# Altium PCB Copy of Board.PcbDoc (part 3 of 4) (continued)
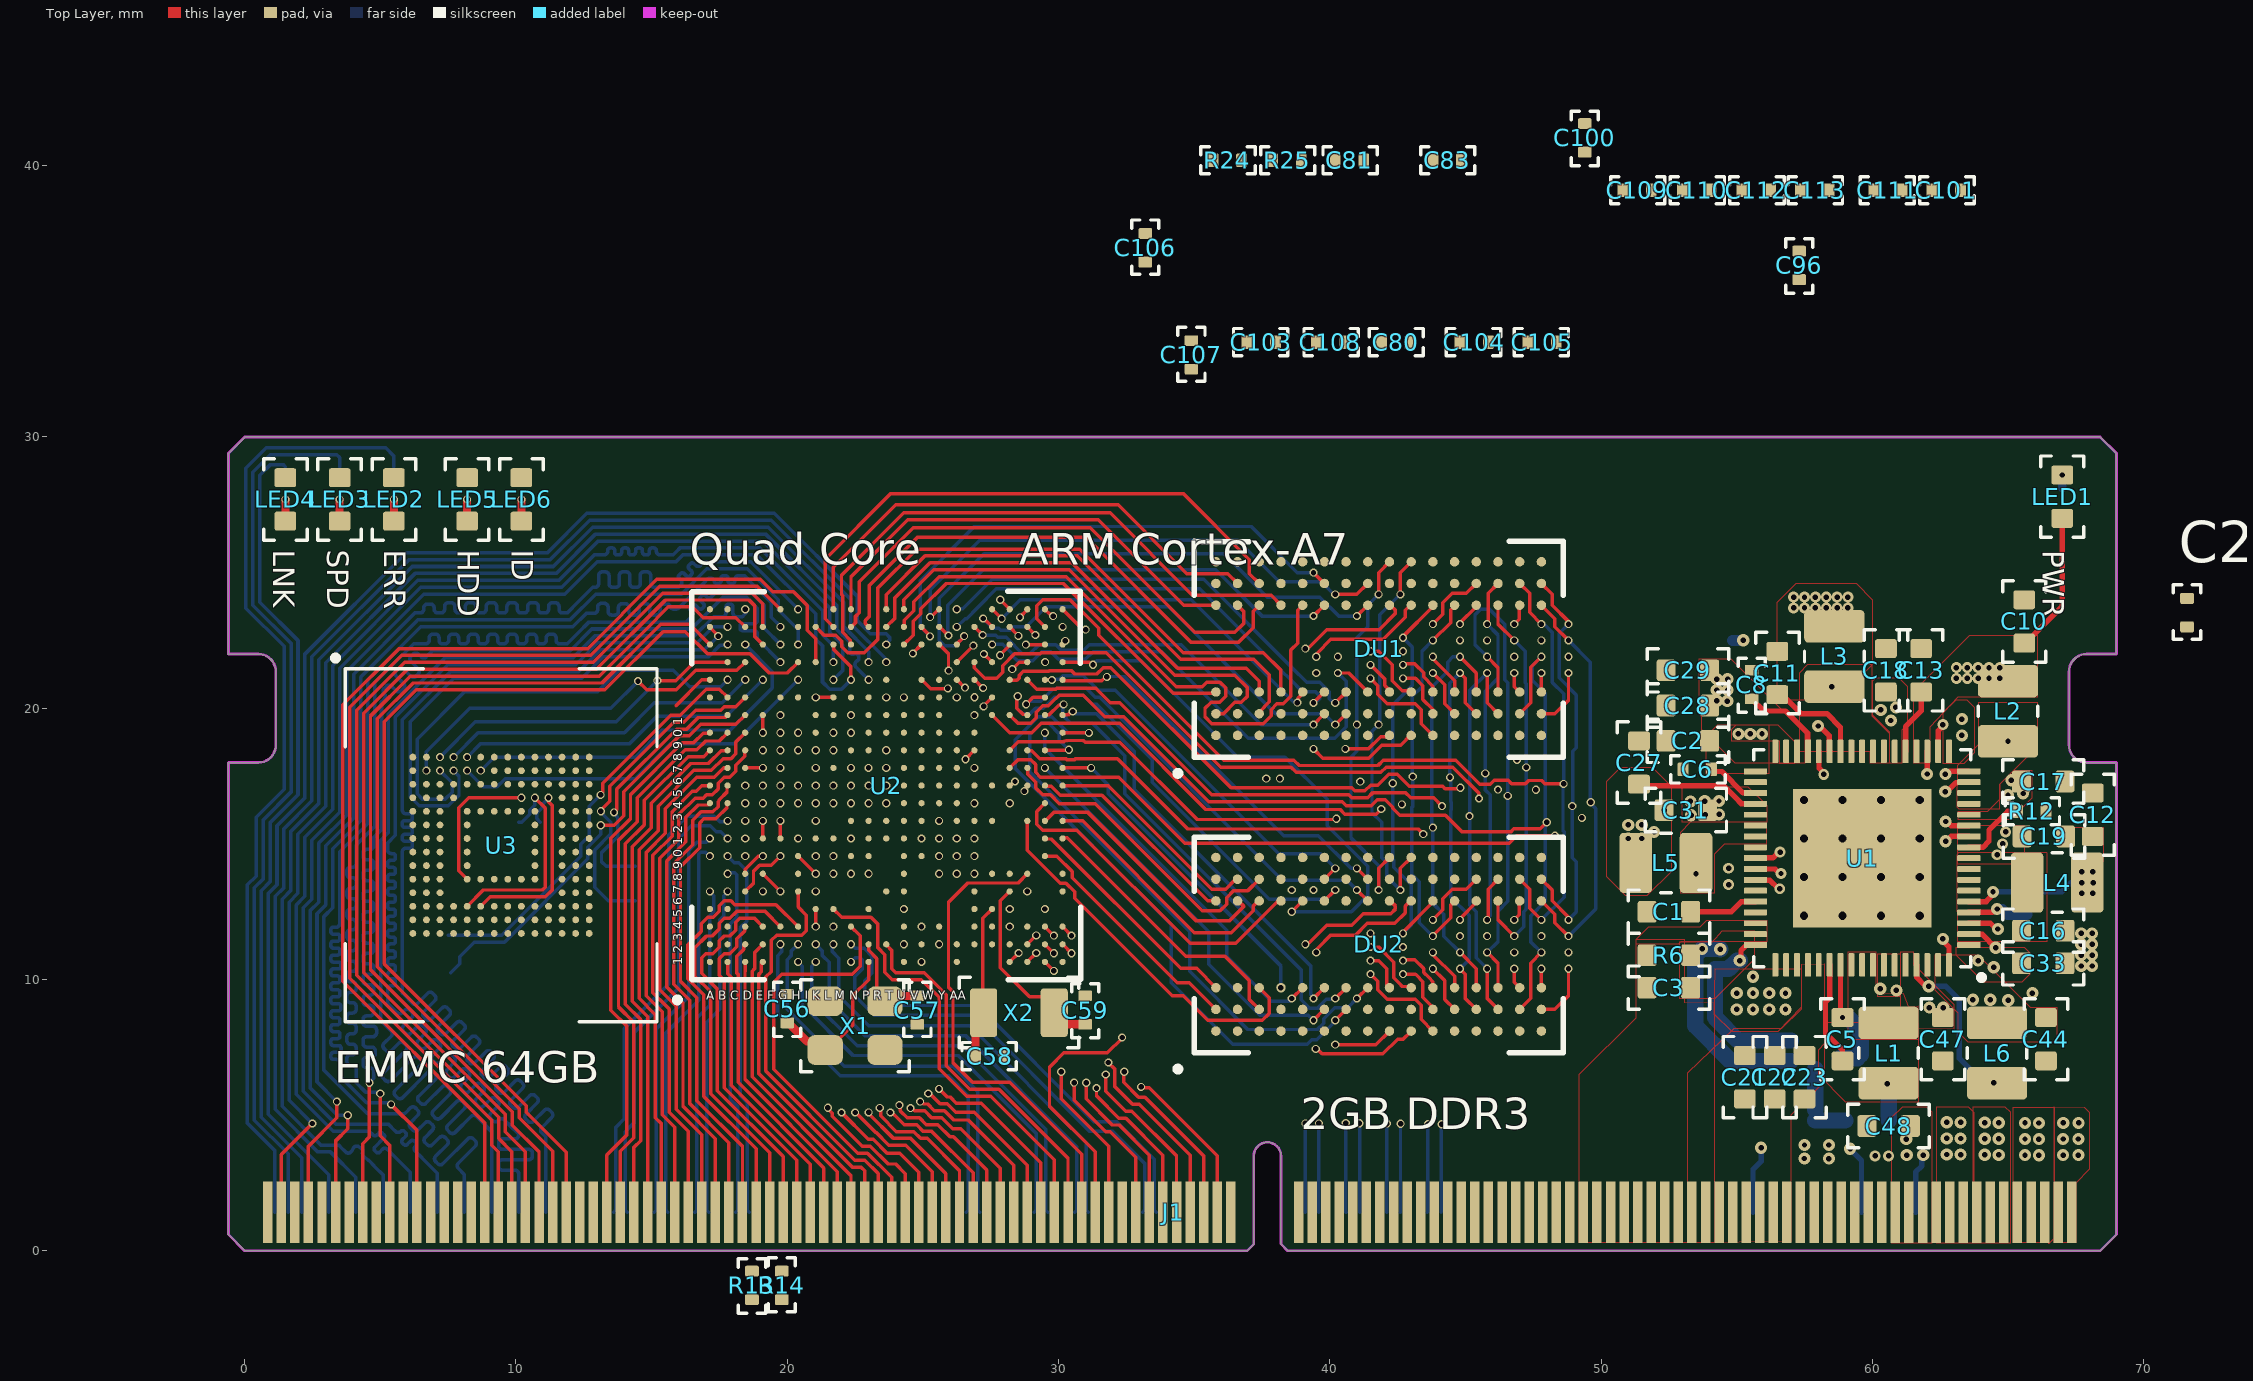
[diagram p0: Top Layer view]
## Nets (pads, with @x,y where several pads share a name; then routed paths per layer and width w, separated by ;. In a path a pad name is that pad's centre, name@x,y a point inside that pad or via, vN(x,y) a via of type N, cw(c..) or ccw(c..) an arc to the next point about the centre after c; other vN are vias at no path point) (continued)
RGMII_TXD2: J1.23 U2.E20 | length 47.6
  Top Layer w0.13: v1(5.396,5.396) 6.35,4.441 J1.23@6.35,1.422
  Bottom Layer w0.13: v1(5.396,5.396) 5.337,5.454 4.491,5.454 3.5,6.445 3.5,6.861 3.5,6.925 ccw(c3.37,6.925) 3.37,7.055 3.268,7.055 cw(c3.268,7.145) 3.178,7.145 3.178,7.222 cw(c3.268,7.222) 3.268,7.311 3.461,7.311 ccw(c3.461,7.401) 3.551,7.401 3.551,7.478 ccw(c3.461,7.478) 3.461,7.568 3.268,7.568 cw(c3.268,7.658) 3.178,7.658 3.178,7.735 cw(c3.268,7.735) 3.268,7.824 3.422,7.824 ccw(c3.422,7.914) 3.512,7.914 3.512,7.991 ccw(c3.422,7.991) 3.422,8.081 3.268,8.081 cw(c3.268,8.171) 3.178,8.171 3.178,8.248 cw(c3.268,8.248) 3.268,8.338 3.422,8.338 ccw(c3.422,8.427) 3.512,8.427 3.512,8.504 ccw(c3.422,8.504) 3.422,8.594 3.268,8.594 cw(c3.268,8.684) 3.178,8.684 3.178,8.761 cw(c3.268,8.761) 3.268,8.851 3.457,8.851 ccw(c3.457,8.94) 3.547,8.94 3.547,9.017 ccw(c3.457,9.017) 3.457,9.107 3.268,9.107 cw(c3.268,9.197) 3.178,9.197 3.178,9.274 cw(c3.268,9.274) 3.268,9.364 3.422,9.364 ccw(c3.422,9.453) 3.512,9.453 3.512,9.53 ccw(c3.422,9.53) 3.422,9.62 3.268,9.62 cw(c3.268,9.71) 3.178,9.71 3.178,9.787 cw(c3.268,9.787) 3.268,9.877 3.422,9.877 ccw(c3.422,9.967) 3.512,9.967 3.512,10.044 ccw(c3.422,10.044) 3.422,10.133 3.268,10.133 cw(c3.268,10.223) 3.178,10.223 3.178,10.3 cw(c3.268,10.3) 3.268,10.39 3.454,10.39 ccw(c3.454,10.48) 3.543,10.48 3.543,10.557 ccw(c3.454,10.557) 3.454,10.646 3.268,10.646 cw(c3.268,10.736) 3.178,10.736 3.178,10.813 cw(c3.268,10.813) 3.268,10.903 3.422,10.903 ccw(c3.422,10.993) 3.512,10.993 3.512,11.07 ccw(c3.422,11.07) 3.422,11.159 3.268,11.159 cw(c3.268,11.249) 3.178,11.249 3.178,11.326 cw(c3.268,11.326) 3.268,11.416 3.422,11.416 ccw(c3.422,11.506) 3.512,11.506 3.512,11.583 ccw(c3.422,11.583) 3.422,11.673 3.268,11.673 cw(c3.268,11.762) 3.178,11.762 3.178,11.839 cw(c3.268,11.839) 3.268,11.929 3.37,11.929 ccw(c3.37,12.059) 3.5,12.059 3.5,12.549 3.5,14.714 4.53,15.744 4.53,21.044 6.486,23 12.1,23 12.6,23.5 12.811,23.5 12.877,23.5 ccw(c12.877,23.634) 13.012,23.633 13.012,23.732 cw(c13.147,23.731) 13.148,23.865 13.263,23.864 cw(c13.262,23.73) 13.396,23.728 13.395,23.573 ccw(c13.529,23.572) 13.527,23.438 13.643,23.437 ccw(c13.644,23.571) 13.778,23.57 13.78,23.725 cw(c13.914,23.723) 13.915,23.858 14.03,23.856 cw(c14.029,23.722) 14.163,23.721 14.162,23.573 ccw(c14.296,23.572) 14.295,23.438 14.41,23.437 ccw(c14.411,23.571) 14.545,23.57 14.547,23.717 cw(c14.681,23.716) 14.682,23.85 14.797,23.849 cw(c14.796,23.715) 14.93,23.714 14.929,23.573 ccw(c15.063,23.572) 15.062,23.438 15.177,23.437 ccw(c15.178,23.571) 15.312,23.57 15.314,23.71 cw(c15.448,23.708) 15.449,23.843 15.564,23.842 cw(c15.563,23.707) 15.697,23.706 ccw(c15.851,23.876) 16.013,23.713 16.175,23.875 16.937,24.637 17.053,24.753 cw(c17.161,24.644) 17.303,24.703 ; 17.303,24.703 ccw(c17.393,24.703) 17.393,24.613 17.47,24.613 ccw(c17.47,24.703) 17.559,24.703 17.559,24.793 cw(c17.649,24.793) 17.649,24.883 17.726,24.883 cw(c17.726,24.793) 17.816,24.793 17.816,24.703 ccw(c17.906,24.703) 17.906,24.613 17.983,24.613 ccw(c17.983,24.703) 18.072,24.703 18.072,24.753 cw(c18.202,24.753) 18.202,24.883 18.426,24.883 18.752,24.557 19.413,23.896 19.413,23.354 19.75,23.017 v1(19.75,23)
RGMII_TXD3: J1.15 U2.E18 | length 47.1
  Top Layer w0.13: J1.15@4.35,1.422 4.35,3.95 4.596,4.196 v1(4.596,6.196)
  Bottom Layer w0.13: v1(4.596,6.196) 4.759,6.359 4.759,6.544 4.759,6.609 ccw(c4.625,6.609) 4.625,6.743 4.498,6.743 cw(c4.498,6.878) 4.364,6.878 4.364,6.993 cw(c4.498,6.993) 4.498,7.127 4.68,7.127 ccw(c4.68,7.261) 4.815,7.261 4.815,7.376 ccw(c4.68,7.376) 4.68,7.51 4.498,7.51 cw(c4.498,7.645) 4.364,7.645 4.364,7.76 cw(c4.498,7.76) 4.498,7.894 4.725,7.894 ccw(c4.725,8.028) 4.86,8.028 4.86,8.143 ccw(c4.725,8.143) 4.725,8.277 4.498,8.277 cw(c4.498,8.412) 4.364,8.412 4.364,8.527 cw(c4.498,8.527) 4.498,8.661 4.625,8.661 ccw(c4.625,8.795) 4.759,8.795 4.759,8.91 ccw(c4.625,8.91) 4.625,9.045 4.498,9.045 cw(c4.498,9.179) 4.364,9.179 4.364,9.294 cw(c4.498,9.294) 4.498,9.428 4.625,9.428 ccw(c4.625,9.562) 4.759,9.562 4.759,9.677 ccw(c4.625,9.677) 4.625,9.812 4.498,9.812 cw(c4.498,9.946) 4.364,9.946 4.364,10.061 cw(c4.498,10.061) 4.498,10.195 4.625,10.195 ccw(c4.625,10.329) 4.759,10.329 4.759,10.444 ccw(c4.625,10.444) 4.625,10.579 4.498,10.579 cw(c4.498,10.713) 4.364,10.713 4.364,10.828 cw(c4.498,10.828) 4.498,10.962 4.625,10.962 ccw(c4.625,11.096) 4.759,11.096 4.759,11.212 ccw(c4.625,11.212) 4.625,11.346 4.498,11.346 cw(c4.498,11.48) 4.364,11.48 4.364,11.595 cw(c4.498,11.595) 4.498,11.729 4.625,11.729 ccw(c4.625,11.864) 4.759,11.864 4.759,11.979 ccw(c4.625,11.979) 4.625,12.113 4.498,12.113 cw(c4.498,12.247) 4.364,12.247 4.364,12.362 cw(c4.498,12.362) 4.498,12.496 4.625,12.496 ccw(c4.625,12.631) 4.759,12.631 4.759,12.746 ccw(c4.625,12.746) 4.625,12.88 4.498,12.88 cw(c4.498,13.014) 4.364,13.014 4.364,13.129 cw(c4.498,13.129) 4.498,13.263 4.625,13.263 ccw(c4.625,13.398) 4.759,13.398 4.759,13.513 ccw(c4.625,13.513) 4.625,13.647 4.498,13.647 cw(c4.498,13.781) 4.364,13.781 4.364,13.896 cw(c4.498,13.896) 4.498,14.031 4.625,14.031 ccw(c4.625,14.165) 4.759,14.165 4.759,14.28 ccw(c4.625,14.28) 4.625,14.414 4.498,14.414 cw(c4.498,14.548) 4.364,14.548 4.364,14.663 cw(c4.498,14.663) 4.498,14.798 4.625,14.798 ccw(c4.625,14.932) 4.759,14.932 4.759,15.247 5.043,15.532 5.043,20.243 5.102,20.302 5.148,20.348 ccw(c5.053,20.442) 5.148,20.537 5.138,20.547 cw(c5.233,20.641) 5.138,20.736 5.22,20.818 cw(c5.315,20.723) 5.41,20.818 5.585,20.642 ccw(c5.68,20.737) 5.775,20.642 5.856,20.724 ccw(c5.761,20.819) 5.856,20.914 5.586,21.184 cw(c5.681,21.279) 5.586,21.374 5.667,21.455 cw(c5.762,21.36) 5.857,21.455 6.127,21.185 ccw(c6.222,21.28) 6.317,21.185 6.398,21.266 ccw(c6.304,21.361) 6.398,21.456 6.128,21.727 cw(c6.223,21.821) 6.128,21.916 6.209,21.998 cw(c6.304,21.903) 6.399,21.998 6.504,21.893 ccw(c6.598,21.988) 6.693,21.893 6.922,22.122 7.204,22.122 11.997,22.122 12.797,22.922 16.468,22.922 17.646,24.1 18.483,24.1 18.9,23.683 18.9,23.571 18.9,23.249 cw(c18.77,23.249) 18.77,23.12 18.35,23.12 ccw(c18.35,23.03) 18.26,23.03 18.26,22.953 ccw(c18.35,22.953) 18.35,22.863 18.77,22.863 cw(c18.77,22.734) 18.9,22.734 18.9,22.55 18.911,22.539 v1(19.75,21.7)
SA0: DU1.N3 DU2.N3 U2.T17 | length 35.6
  Top Layer w0.127: U2.T17@26.9,21.05 26.91,21.05 27.212,20.747 v1(27.222,20.747) ; v1(44.8,11) 45.4,10.4 DU2.N3@45.4,9.7 ; v1(44.8,21.9) 45.4,21.3 DU1.N3@45.4,20.6
  Int3 (Sign) w0.127: v1(27.222,20.747) 27.6,20.369 27.6,19.771 29.125,18.246 29.672,18.246 31.018,16.9 31.971,16.9 34.333,14.538 43.106,14.538 43.8,15.232 v1(43.8,15.602)
  Bottom Layer w0.127: v1(44.8,11) 44.2,11.6 44.2,12.409 43.788,12.821 43.788,15.588 43.8,15.6 v1(43.8,15.602) 43.759,15.642 43.759,20.778 44.341,21.359 44.341,21.703 44.538,21.9 v1(44.8,21.9)
SA1: DU1.P7 DU2.P7 U2.U18 | length 54.4
  Top Layer w0.127: v1(27.25,22) U2.U18@27.55,21.7 ; DU2.P7@46.2,12.9 46.2,12.2 v1(46.8,11.6) ; DU1.P7@46.2,23.8 46.2,23.1 v1(46.8,22.5)
  Int3 (Sign) w0.127: v1(27.25,22) 27.219,21.969 26.425,21.969 26.394,22 25.641,22 25.2,21.559 25.2,20.241 27.3,18.141 27.3,16.159 28.059,15.4 29.6,15.4 32.854,12.146 37.3,12.146 37.794,11.652 38.951,11.652 39.751,12.451 43.17,12.451 43.656,12.938 47.774,12.938 50.212,15.377 50.212,16.78 50.196,16.796 50.196,16.804 49.181,17.819 v1(47.243,17.819)
  Bottom Layer w0.127: v1(46.8,11.6) 47.146,11.946 47.146,12.505 47.24,12.6 47.24,17.817 v1(47.243,17.819) 47.243,20.898 47.206,20.935 47.206,22.094 v1(46.8,22.5)
SA2: DU1.P3 DU2.P3 U2.V19 | length 43.6
  Top Layer w0.127: v1(27.847,21.956) 27.847,21.976 U2.V19@28.2,22.329 ; v1(45.8,11) 46.2,10.6 DU2.P3@46.2,9.7 ; v1(45.8,21.9) 46.2,21.5 DU1.P3@46.2,20.6
  Int3 (Sign) w0.127: v1(27.847,21.956) 27.88,21.989 27.88,22.199 27.891,22.209 27.891,22.491 27.691,22.691 27.561,22.691 27.561,23.157 27.56,23.159 27.56,23.441 27.759,23.64 27.981,23.64 28.787,24.446 33.054,24.446 36.951,20.549 40.551,20.549 40.848,20.252 42.395,20.252 45.388,17.258 45.873,17.258 45.956,17.34 46.341,17.34 46.56,17.122 v1(46.56,16.77)
  Bottom Layer w0.127: v1(45.8,11) 46.2,11.4 46.2,12.522 46.56,12.881 46.56,14.785 46.558,14.786 46.558,16.768 v1(46.56,16.77) ; v1(45.8,21.9) 45.353,22.347 45.353,23.453 45.542,23.642 45.904,23.642 46.454,23.093 46.454,21.046 46.56,20.941 v1(46.56,16.77) v1@46.558,16.77
SA3: DU1.N2 DU2.N2 U2.V20 | length 35.8
  Top Layer w0.127: U2.V20@28.2,23 28.2,22.995 28.521,22.674 v1(28.521,22.669) ; v1(44.8,10.4) 45,10.2 45,9.3 DU2.N2@45.4,8.9 ; v1(44.8,21.3) 45,21.1 45,20.2 DU1.N2@45.4,19.8
  Int3 (Sign) w0.127: v1(28.521,22.669) 28.5,22.669 28.24,22.928 28.24,23.541 28.892,24.192 32.408,24.192 36.74,19.86 40.459,19.86 40.598,19.998 41.884,19.998 v1(44.431,17.45)
  Bottom Layer w0.127: v1(44.8,10.4) 45.14,10.74 45.14,12.36 44.459,13.04 44.459,16.235 44.478,16.254 44.478,16.536 44.459,16.555 44.459,17.422 v1(44.431,17.45) 44.428,17.454 44.428,20.928 v1(44.8,21.3)
SA4: DU1.P8 DU2.P8 U2.V21 | length 36
  Top Layer w0.127: v1(27.85,24) U2.V21@28.2,23.65 ; v1@45.834,12.334 45.834,13.334 DU2.P8@46.2,13.7 ; v1@45.835,23.235 45.835,24.235 DU1.P8@46.2,24.6
  Int3 (Sign) w0.127: v1(27.85,24) 28.55,24.7 33.991,24.7 36.791,21.9 38,21.9 38.94,20.96 40.5,20.96 40.727,20.732 42.599,20.732 v1(45.732,17.599)
  Bottom Layer w0.127: v1(45.8,12.2) 45.8,12.247 45.91,12.357 45.91,16.808 45.732,16.986 v1(45.732,17.599) 45.732,20.632 46.2,21.1 46.2,22.7 v1(45.8,23.1)
SA5: DU1.P2 DU2.P2 U2.Y19 | length 40
  Top Layer w0.127: v1(28.8,22.346) 28.802,22.348 29.498,22.348 U2.Y19@29.5,22.35 ; v1(45.8,10.4) 45.8,9.3 DU2.P2@46.2,8.9 ; v1(45.8,21.3) 45.8,20.2 DU1.P2@46.2,19.8
  Int3 (Sign) w0.127: v1(28.8,22.346) 28.8,20.841 29.195,20.446 30.007,20.446 30.045,20.484 30.727,20.484 32.311,18.9 32.6,18.9 36,15.5 39.833,15.5 40.027,15.306 41.987,15.306 43,16.318 43,16.6 42.763,16.837 42.236,16.837 41.98,17.093 41.98,17.57 42.309,17.9 43.119,17.9 44.692,16.328 44.849,16.328 v1(45.15,16.027)
  Bottom Layer w0.127: v1(45.8,10.4) 45.4,10.8 45.4,12.5 45.16,12.741 45.16,20.66 v1(45.8,21.3)
SA6: DU1.R8 DU2.R8 U2.Y20 | length 39.1
  Top Layer w0.127: U2.Y20@29.5,23 29.195,23.306 29.195,23.777 29.418,24 30.423,24 31.477,22.946 31.477,22.695 36.088,18.083 38.676,18.083 38.869,17.89 41.776,17.89 41.969,18.083 44.639,18.083 45.522,17.2 45.918,17.2 46.059,17.34 46.574,17.34 46.698,17.217 47.213,17.217 47.334,17.338 47.806,17.338 47.93,17.214 v1(48.622,17.214) ; DU2.R8@47,13.7 47.365,13.334 47.365,12.634 v1(47.8,12.2) ; DU1.R8@47,24.6 47.366,24.235 47.366,23.534 v1(47.8,23.1)
  Bottom Layer w0.127: v1(47.8,12.2) 48.64,13.04 48.64,15.441 48.596,15.485 48.596,17.19 48.62,17.214 48.62,20.536 48.205,20.95 48.205,22.795 47.9,23.1 v1(47.8,23.1)
SA7: DU1.R2 DU2.R2 U2.V15 | length 39.4
  Top Layer w0.127: U2.V15@28.2,19.75 28.505,19.445 28.977,19.445 29.175,19.643 29.175,19.857 29.412,20.095 29.627,20.095 29.898,20.366 29.915,20.366 30.033,20.484 30.916,20.484 31.706,19.694 32.406,19.694 35.543,16.557 40.458,16.557 40.614,16.4 41.527,16.4 41.755,16.629 42.037,16.629 42.319,16.347 42.319,16.318 42.583,16.054 44.264,16.054 44.862,15.456 46.69,15.456 46.788,15.554 47.754,15.554 v1(48,15.8) ; DU2.R2@47,8.9 47.405,9.305 47.405,10.605 v1(47.8,11) ; DU1.R2@47,19.8 47.405,20.205 47.405,21.505 v1(47.8,21.9)
  Bottom Layer w0.127: v1(47.8,11) 47.4,11.4 47.4,12.338 47.941,12.879 47.941,20.559 47.46,21.04 47.46,21.559 v1(47.8,21.9)
SA8: DU1.T8 DU2.T8 U2.W18 | length 53.2
  Top Layer w0.127: v1(28.296,21.442) 28.554,21.7 U2.W18@28.85,21.7 ; DU2.T8@47.8,13.7 48.2,13.3 48.2,12.9 48.8,12.3 v1(48.8,12.2) ; DU1.T8@47.8,24.6 48.2,24.2 48.2,23.8 v1@48.8,23.2
  Int3 (Sign) w0.127: v1(28.296,21.442) 27.727,21.442 27.511,21.658 26.377,21.658 26.307,21.728 25.728,21.728 25.5,21.5 25.5,20.3 27.554,18.246 27.554,16.264 28.1,15.718 29.682,15.718 33,12.4 37.441,12.4 37.935,11.906 38.846,11.906 39.646,12.705 43.065,12.705 43.551,13.192 47.668,13.192 49.958,15.482 49.958,16.675 49.733,16.9 49.444,16.9 v1(48.937,16.393)
  Bottom Layer w0.127: v1(48.8,12.2) 49.091,12.491 49.091,14.341 48.937,14.496 v1(48.937,16.393) 48.962,16.419 48.962,18.413 49.091,18.542 49.091,20.489 48.459,21.12 48.459,22.759 v1(48.8,23.1)
SA9: DU1.R3 DU2.R3 U2.Y18 | length 35.9
  Top Layer w0.127: v1(46.8,10.4) 46.8,9.9 DU2.R3@47,9.7 ; v1(46.8,21.3) 46.8,20.8 DU1.R3@47,20.6
  Int2 (Sign) w0.127: v1(46.8,10.4) 47.459,11.059 47.459,12.459 47.6,12.6 47.6,20.5 v1(46.8,21.3)
  Int3 (Sign) w0.127: v1(29.507,21.704) 29.554,21.704 29.711,21.547 29.912,21.547 30.45,21.009 31.091,21.009 32.1,20 32.9,20 36.554,16.346 41.046,16.346 41.556,16.856 41.556,17.506 42.204,18.154 43.225,18.154 44.797,16.582 45.076,16.582 45.524,16.134 47.041,16.134 47.6,16.693 v1(47.6,16.998)
SA10: DU1.L7 DU2.L7 U2.P19 | length 38.7
  Top Layer w0.127: U2.P19@25.6,22.35 25.944,22.006 25.944,21.392 v1(25.949,21.387) ; v1@42.7,11.747 DU2.L7@43.8,12.847 ; v1(42.7,22.6) 42.7,22.647 43.8,23.747 DU1.L7@43.8,23.8 DU1.L7@43.873,23.8
  Int3 (Sign) w0.127: v1(25.949,21.387) 27.423,21.387 27.622,21.188 27.63,21.188 28.154,20.664 28.154,19.936 29.33,18.759 29.68,18.759 29.738,18.818 30.518,18.818 31.035,18.3 32.441,18.3 35.695,15.046 42.146,15.046 43.254,16.154 43.254,16.705 42.725,17.234 v1(42.32,17.234)
  Bottom Layer w0.127: v1(42.7,11.7) 43,12 43,13.5 42.354,14.146 42.354,14.405 42.319,14.44 42.319,17.233 v1(42.32,17.234) 42.32,20.12 43.041,20.84 43.041,22.26 v1(42.7,22.6)
SA11: DU1.R7 DU2.R7 U2.N19 | length 41.7
  Top Layer w0.127: v1@24.631,22.031 U2.N19@24.95,22.35 ; v1(46.8,12.2) 46.988,12.388 DU2.R7@46.988,12.888 ; v1(46.8,23.1) 46.988,23.288 46.988,23.788 DU1.R7@47,23.8
  Int2 (Sign) w0.127: v1(46.8,12.2) 46.8,12.7 46.902,12.802 46.902,18.062 v1@46.935,18.095 ; v1(46.8,23.1) 46.4,22.7 46.4,20.7 46.902,20.198 v1(46.902,18.095)
  Int3 (Sign) w0.127: v1(24.631,22.019) 24.631,23.231 26.654,25.254 36.046,25.254 37.55,23.75 42.75,23.75 43.459,23.041 43.459,21.159 46.523,18.095 v1(46.902,18.095)
SA12: DU1.N7 DU2.N7 U2.R18 | length 42.8
  Top Layer w0.127: U2.R18@26.25,21.7 v1(26.859,22.31) ; v1@44.8,12.247 45.4,12.847 DU2.N7@45.4,12.9 ; v1(44.8,23.1) 44.8,23.147 45.4,23.747 DU1.N7@45.4,23.8
  Int2 (Sign) w0.127: v1(44.8,12.2) 46.2,13.6 v1(46.2,17) 46.1,17.1 46.1,20.1 45.3,20.9 45.3,22.6 v1(44.8,23.1)
  Int3 (Sign) w0.127: v1(26.859,22.31) 26.859,23.46 27,23.6 27,23.632 28.368,25 34.967,25 37.027,22.941 42.841,22.941 43.058,22.724 43.058,20.717 43.274,20.5 43.313,20.5 45.971,17.841 46.2,17.841 46.9,17.141 46.9,16.629 46.701,16.429 46.319,16.429 46.2,16.548 v1(46.2,17)
SA13: DU1.T3 DU2.T3 U2.V12 | length 34.6
  Top Layer w0.127: U2.V12@28.2,17.8 28.505,18.106 28.977,18.106 29.155,17.927 29.155,17.636 29.332,17.46 29.408,17.46 32.22,17.46 34.659,15.021 46.614,15.021 46.893,15.3 v1(48.3,15.3) ; DU2.T3@47.8,9.7 v1(47.8,10.4) ; DU1.T3@47.8,20.6 v1(47.8,21.3)
  Int2 (Sign) w0.127: v1(47.8,10.4) 48.3,10.9 v1(48.3,15.3) 48.28,15.32 48.341,15.381 48.341,17.014 48.281,17.073 48.281,20.819 v1(47.8,21.3)
SA14: DU1.T7 DU2.T7 U2.N17 | length 47.3
  Top Layer w0.127: U2.N17@24.95,21.05 24.952,21.05 25.286,20.716 25.903,20.716 v1(25.92,20.733) ; DU2.T7@47.8,12.9 48.3,12.4 48.3,12.1 v1(48.8,11.6) ; DU1.T7@47.8,23.8 48.3,23.3 48.3,23 v1(48.8,22.5)
  Int3 (Sign) w0.127: v1(25.92,20.733) 25.909,20.722 25.909,20.259 27.808,18.36 27.808,16.41 28.218,16 29.9,16 33.2,12.7 37.5,12.7 38.041,12.16 38.741,12.16 39.541,12.959 42.959,12.959 43.446,13.446 47.441,13.446 49.651,15.656 49.651,16.5 v1(49.618,16.533)
  Bottom Layer w0.127: v1(48.8,11.6) 49.8,12.6 49.8,16.304 49.618,16.487 v1(49.618,16.533) ; v1(48.8,22.5) 49.6,21.7 v1@49.6,16.542
SA15: DU1.M7 DU2.M7 U2.R17 | length 37.6
  Top Layer w0.127: U2.R17@26.25,21.05 26.258,21.05 26.546,20.762 v1(26.554,20.762) ; v1@43.8,11.621 44.459,12.28 44.459,12.759 DU2.M7@44.6,12.9 ; v1(43.8,22.5) 44.459,23.16 44.459,23.639 44.6,23.779 DU1.M7@44.6,23.8
  Int3 (Sign) w0.127: v1(26.554,20.762) 26.88,21.088 27.363,21.088 27.517,20.934 27.525,20.934 27.9,20.559 27.9,19.831 29.231,18.5 29.859,18.5 31.155,17.205 32.574,17.205 34.986,14.792 42.394,14.792 43.508,15.906 43.508,17.03 v1(43.058,17.48)
  Bottom Layer w0.127: v1(43.8,11.6) 43.3,12.1 43.3,13.6 43.029,13.871 43.029,16.343 43.058,16.373 43.058,17.462 43.041,17.48 43.041,20.441 43.4,20.8 43.4,22.1 v1(43.8,22.5)
SBA0: DU1.M2 DU2.M2 U2.W17 | length 32.8
  Top Layer w0.127: U2.W17@28.85,21.05 29.194,20.706 29.612,20.706 29.617,20.701 29.899,20.701 29.936,20.738 31.38,20.738 31.909,20.209 32.25,20.209 35.648,16.811 40.705,16.811 40.815,16.701 41.401,16.701 41.594,16.894 42.788,16.894 42.982,16.7 43.833,16.7 v1(44.138,16.395) ; v1(43.8,10.4) 44.235,9.965 44.235,9.266 DU2.M2@44.6,8.9 ; v1(43.8,21.3) 44.235,20.865 44.235,20.166 DU1.M2@44.6,19.8
  Int2 (Sign) w0.127: v1(43.8,10.4) 43.8,10.518 43.146,11.172 43.146,12.501 44.14,13.495 44.14,16.357 44.103,16.395 44.103,16.697 44.059,16.74 44.048,20.806 43.886,20.967 43.886,21.214 v1(43.8,21.3)
SBA1: DU1.N8 DU2.N8 U2.T18 | length 39.4
  Top Layer w0.127: U2.T18@26.9,21.7 26.9,21.487 27.287,21.1 27.726,21.1 27.946,21.321 27.946,21.573 28.378,22.006 29.327,22.006 29.366,22.045 31.767,22.045 35.982,17.829 38.571,17.829 38.764,17.636 41.881,17.636 42.074,17.829 44.534,17.829 45.5,16.863 v1(45.5,16.674) ; v1(43.8,12.2) 44.166,12.565 44.166,12.982 44.518,13.334 45.034,13.334 DU2.N8@45.4,13.7 ; v1(43.8,23.1) 44.166,23.466 44.166,23.882 44.518,24.235 45.035,24.235 DU1.N8@45.4,24.6
  Int2 (Sign) w0.127: v1(43.8,12.2) 44.246,12.646 44.546,12.646 45.5,13.6 v1(45.5,16.674) ; v1(43.8,23.1) 44.394,22.505 44.394,21.206 45.392,20.208 45.392,17.458 45.5,17.35 v1@45.5,16.676
SBA2: DU1.M3 DU2.M3 U2.V17 | length 34.7
  Top Layer w0.127: U2.V17@28.2,21.05 28.22,21.03 28.47,21.03 28.544,21.105 28.544,21.206 28.702,21.364 29.648,21.364 29.666,21.382 30.48,21.382 30.598,21.263 31.412,21.263 31.644,21.496 31.927,21.496 36.358,17.065 40.81,17.065 40.92,16.955 41.296,16.955 41.508,17.168 41.772,17.168 42.179,17.575 42.481,17.575 42.936,17.12 44.161,17.12 44.247,17.035 44.781,17.035 v1(44.814,17.068) ; v1@43.8,10.918 44.6,10.118 DU2.M3@44.6,9.7 ; v1(43.8,21.9) 43.8,21.818 44.6,21.018 DU1.M3@44.6,20.6
  Int2 (Sign) w0.127: v1(43.8,11) 43.4,11.4 43.4,12.281 44.018,12.9 44.3,12.9 44.809,13.409 44.809,17.064 v1(44.814,17.068) ; v1(43.8,21.9) 44.14,21.559 44.14,21.072 44.814,20.399 44.814,17.13 v1@44.845,17.099
SCAS: DU1.K3 DU2.K3 U2.U15 | length 33
  Top Layer w0.127: U2.U15@27.55,19.75 28.2,19.1 29.018,19.1 29.359,19.44 32.251,19.44 35.423,16.269 40.386,16.269 40.555,16.1 41.708,16.1 v1(41.896,16.288) ; v1(41.5,11.2) 41.8,11.2 42.359,10.641 42.359,10.059 42.559,9.859 42.676,9.743 DU2.K3@42.957,9.743 ; v1(41.5,22.1) 41.8,22.1 42.3,21.6 42.3,21.018 42.676,20.643 42.957,20.643 DU1.K3@43,20.6
  Int2 (Sign) w0.127: v1(41.5,11.2) 41.154,11.546 41.154,11.895 42.14,12.881 42.14,14.807 41.9,15.048 41.9,16.284 v1(41.896,16.288) ; v1(41.5,22.1) 42.14,21.459 42.14,18.354 41.9,18.113 v1@41.9,16.3
SCK_N: DU1.K7 DU2.K7 R26.2 U2.AA20 | length 36.1
  Top Layer w0.13: v1@39.533,11.134 40.04,11.641 40.958,11.641 41.386,12.069 42.395,12.069 42.779,12.454 42.779,12.709 42.97,12.9 DU2.K7@43,12.9 ; v1@39.533,22.034 40.04,22.541 41.967,22.541 42.779,23.354 42.779,23.609 42.97,23.8 DU1.K7@43,23.8
  Int2 (Sign) w0.13: v1@37.639,17.413 37.639,17.468 37.453,17.654 37.453,17.781 37.241,17.993 37.241,21.335 38.844,22.938 39.46,22.938 39.746,22.652 39.746,22.248 39.533,22.034 39.533,21.933 v1(39.5,21.9) ; v1(37.656,17.405) 37.656,17.039 37.699,16.996 37.699,14.099 37.236,13.636 37.236,12.067 38.653,10.649 39.058,10.649 39.341,10.932 39.386,10.932 39.454,11 v1(39.5,11)
  Int3 (Sign) w0.13: v1(30.15,23) 29.889,22.739 29.889,22.336 30.269,21.955 30.595,21.955 30.605,21.946 30.902,21.946 31.413,21.946 31.758,21.6 32.8,21.6 36.962,17.438 37.623,17.438 v1(37.656,17.405)
SCK_P: DU1.J7 DU2.J7 R26.1 U2.AA19 | length 32.7
  Top Layer w0.13: 39.259,11.368 39.891,12 40.81,12 41.237,12.428 42.246,12.428 42.421,12.602 42.421,12.709 42.23,12.9 DU2.J7@42.2,12.9 ; 39.259,22.268 39.891,22.9 41.819,22.9 42.421,23.502 42.421,23.609 42.23,23.8 DU1.J7@42.2,23.8
  Int2 (Sign) w0.13: v1@38.162,17.392 38.129,17.36 38.129,17.068 38.057,16.996 38.057,13.95 37.594,13.487 37.594,12.215 38.802,11.007 38.909,11.007 39.067,11.166 39.067,11.267 v1(39.1,11.3) ; v1(38.162,17.405) 38.162,17.451 37.998,17.616 37.998,17.744 37.6,18.142 37.6,21.187 38.992,22.579 39.311,22.579 39.387,22.503 39.387,22.396 39.259,22.268 39.214,22.268 39.146,22.2 v1(39.1,22.2)
  Int3 (Sign) w0.13: v1(30.247,22.484) 30.428,22.304 31.561,22.304 31.907,21.959 32.949,21.959 36.983,17.924 37.644,17.924 v1@38.162,17.406
SCKE0: DU1.K9 DU2.K9 U2.AA21 | length 29
  Top Layer w0.127: U2.AA21@30.15,23.65 30.184,23.616 30.867,22.933 30.967,22.933 v1(31,22.9) ; v1(42.6,13.3) 42.6,14.1 DU2.K9@43,14.5 ; v1(42.6,24.2) 42.6,25 DU1.K9@43,25.4
  Int3 (Sign) w0.127: v1(31,22.9) 31.4,23.3 32.5,23.3 36.74,19.06 40.46,19.06 40.659,19.259 40.659,19.541 40.859,19.74 41.46,19.74 v1(41.8,19.4)
  Bottom Layer w0.127: v1(42.6,13.3) 42.1,13.8 42.1,14.3 41.908,14.492 41.908,15.795 41.556,16.147 41.556,19.156 v1(41.8,19.4) 41.841,19.44 41.841,23.441 v1(42.6,24.2)
SCKE1: DU1.J9 DU2.J9 U2.Y21 | length 30.4
  Top Layer w0.127: U2.Y21@29.5,23.65 29.5,23.646 29.747,23.4 v1(29.8,23.4) ; v1(41.8,13.3) 41.8,14.1 DU2.J9@42.2,14.5 ; v1(41.8,24.2) 41.8,25 DU1.J9@42.2,25.4
  Int3 (Sign) w0.127: v1(29.8,23.4) 30.4,23.4 30.659,23.14 30.659,22.759 30.859,22.56 32.764,22.56 36.923,18.4 37.8,18.4 38.37,17.829 40.829,17.829 41.4,18.4 41.4,19 v1(41,19.4)
  Bottom Layer w0.127: v1(41.8,13.3) 41.8,14.2 40.782,15.218 40.782,18.2 41,18.418 v1(41,19.4) 41,22.6 41.4,23 41.4,23.8 v1(41.8,24.2)
SCS0: DU1.L2 DU2.L2 U2.W20 | length 34.2
  Top Layer w0.127: U2.W20@28.85,23 v1(29.15,22.7) ; v1(42.7,10.2) 43.159,10.2 43.205,10.154 43.435,9.925 43.435,9.342 43.8,8.976 DU2.L2@43.8,8.9 ; v1(42.7,21.1) 43.159,21.1 43.435,20.825 43.435,20.325 43.8,19.959 DU1.L2@43.8,19.8
  Int2 (Sign) w0.127: v1(42.659,16.459) 42.659,13.841 42.941,13.56 42.941,13.159 41.953,12.171 41.953,10.947 v1(42.7,10.2) ; v1@42.7,16.5 v1(42.7,21.1)
  Int3 (Sign) w0.127: v1(29.15,22.7) 29.15,22.2 29.054,22.104 29.054,20.946 29.3,20.7 29.901,20.7 29.94,20.738 31.003,20.738 32.141,19.6 32.6,19.6 36.2,16 39.692,16 40.125,15.567 41.767,15.567 v1(42.659,16.459)